# Altium PCB Cubli_Control_Board.PcbDoc (part 1 of 2)
Units mil, origin at the board's own origin, x right, y up, seen from the top; angles counter-clockwise.
Board outline 2755.91 x 2755.91 mil, 4 copper layers (Top Layer, VCC, GND, Bottom Layer), stack 30.635 mil thick; 150 components, 118 nets, 570 pads, 427 vias.
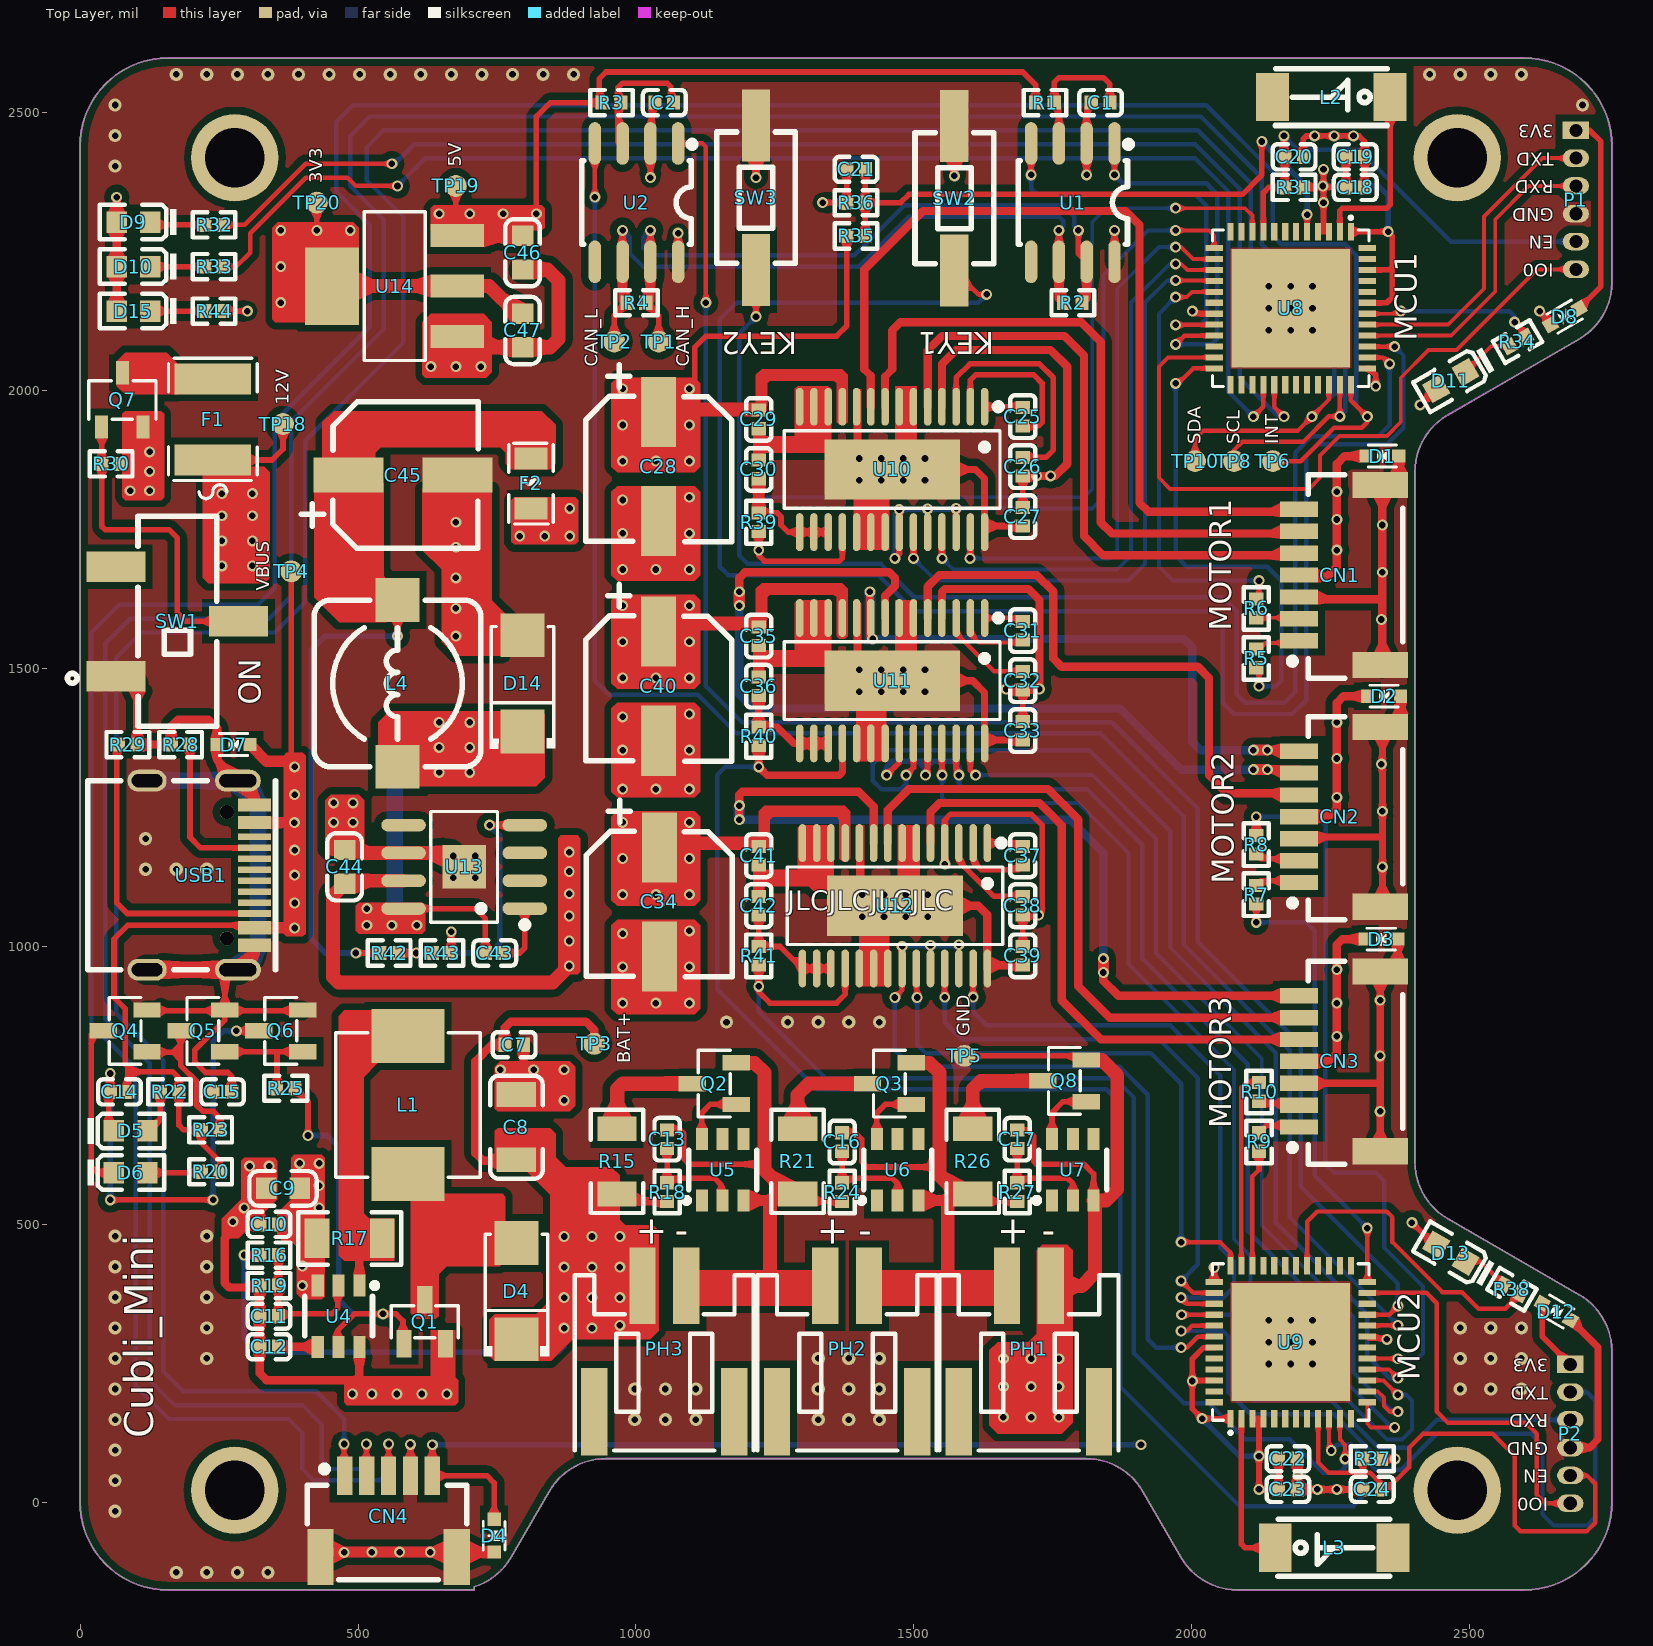
[diagram p0: Top Layer view]
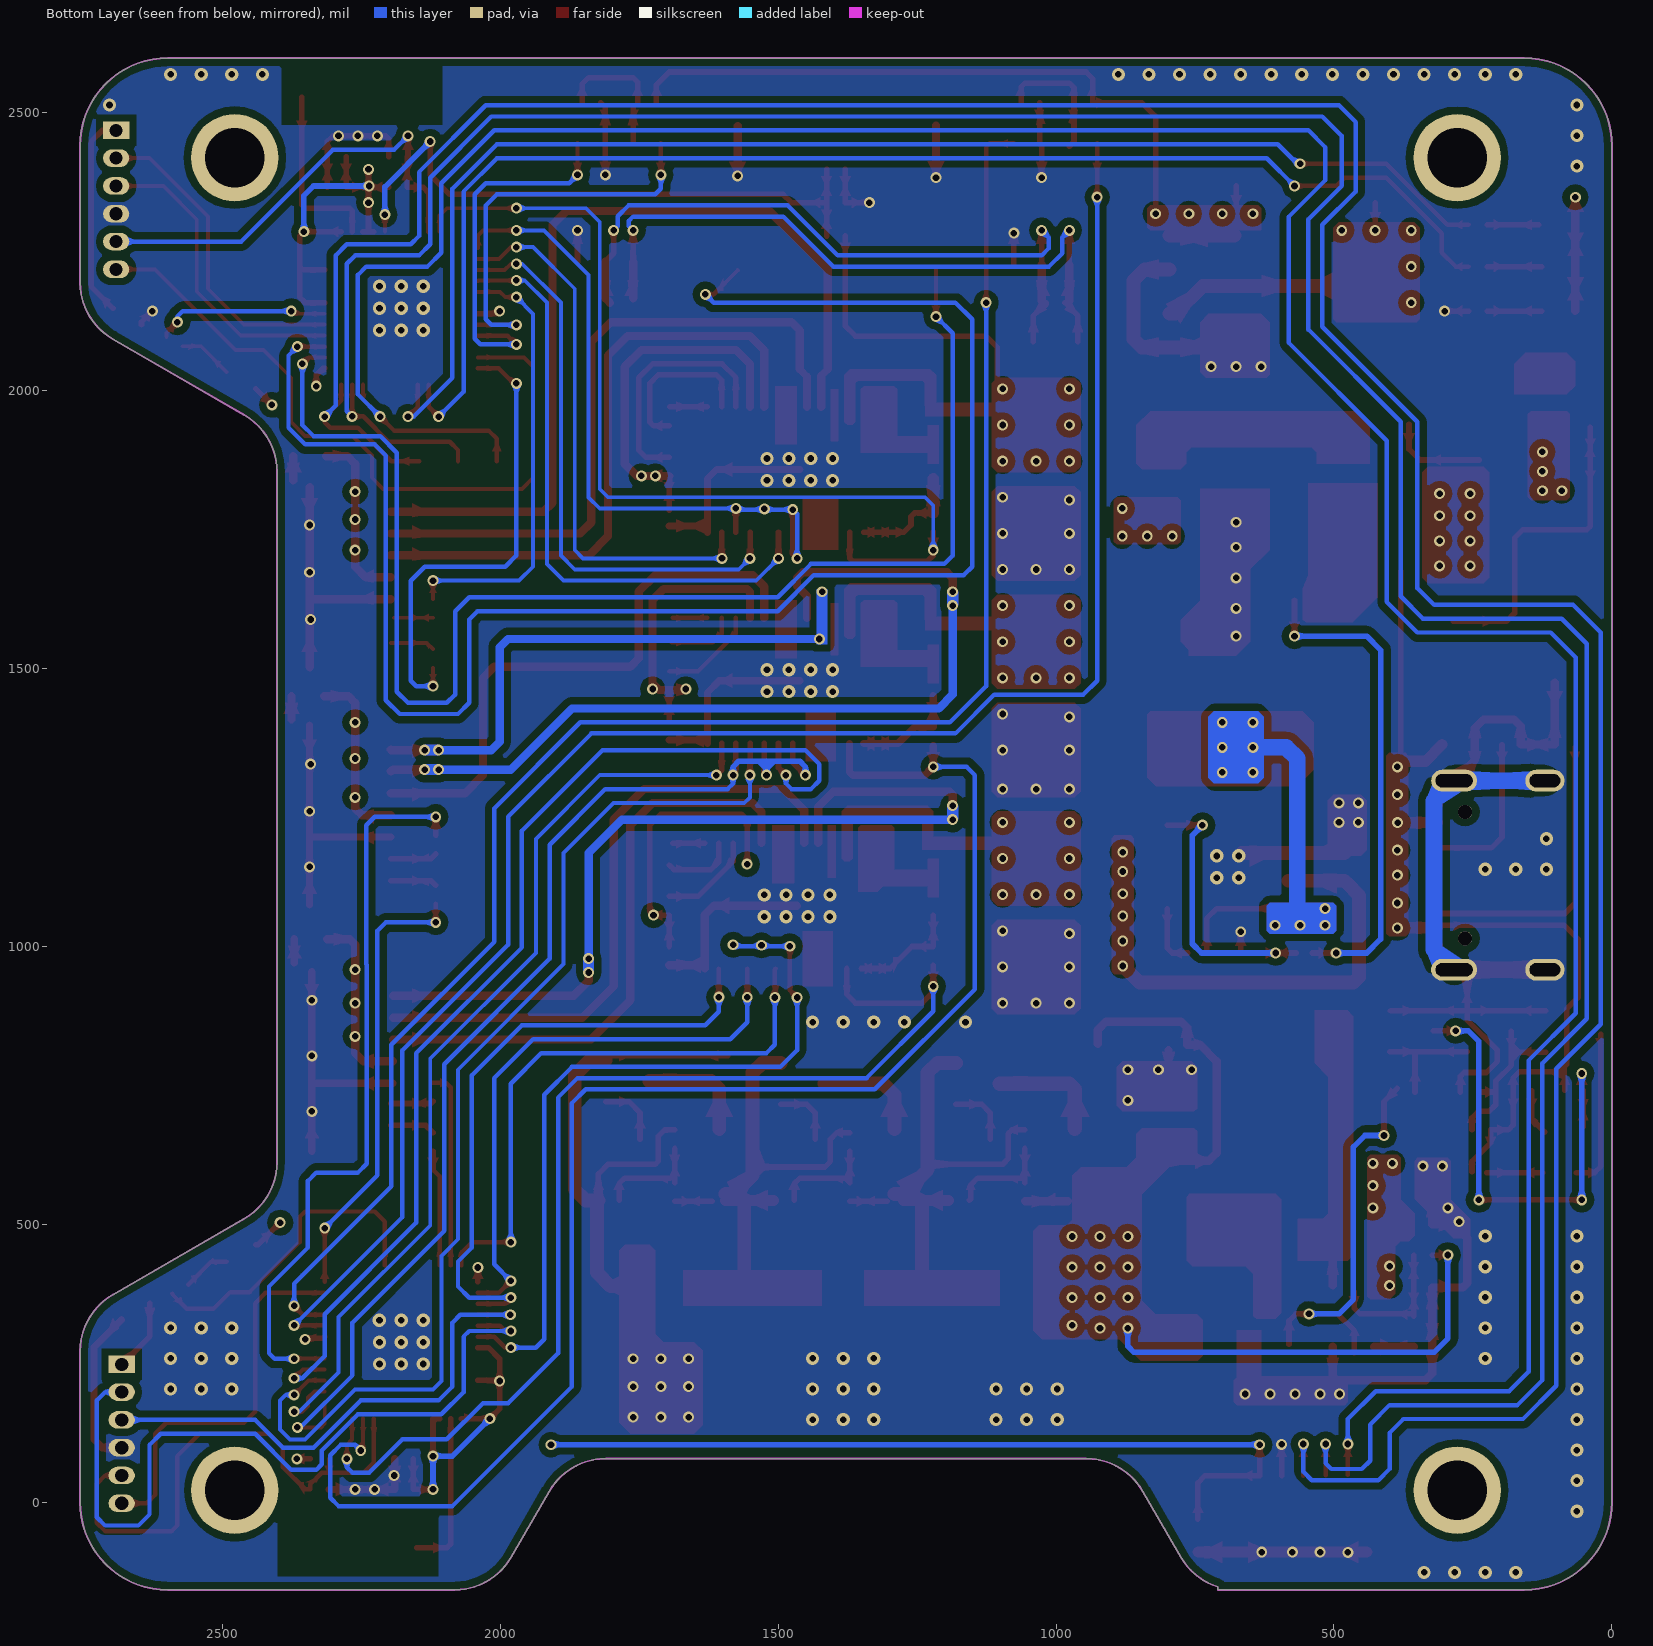
[diagram p1: Bottom Layer view, seen from below]
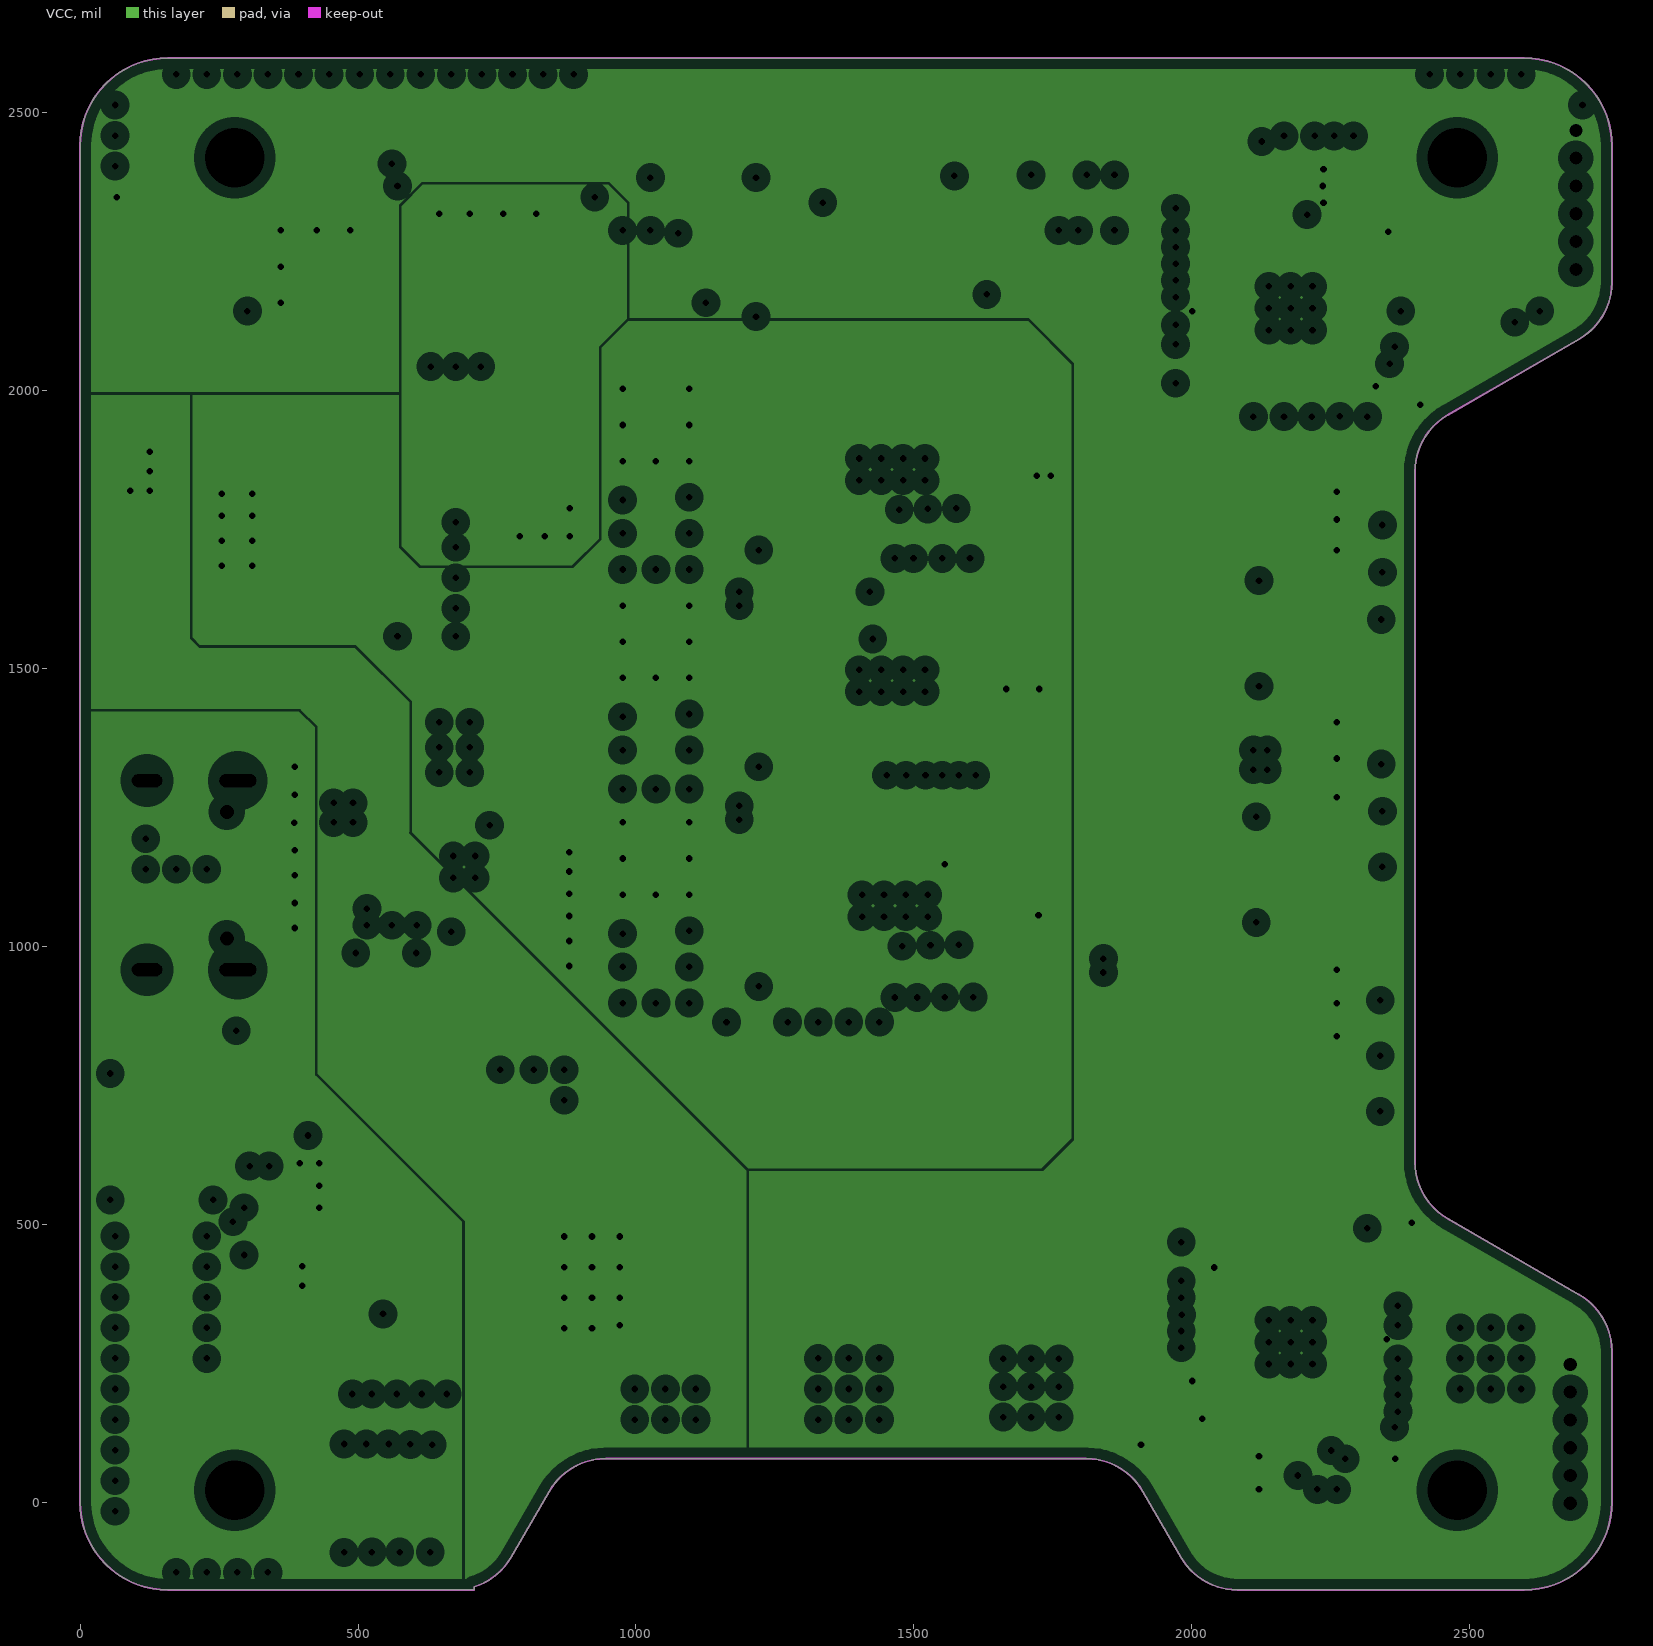
[diagram p2: VCC, clearances drawn from the general rule]
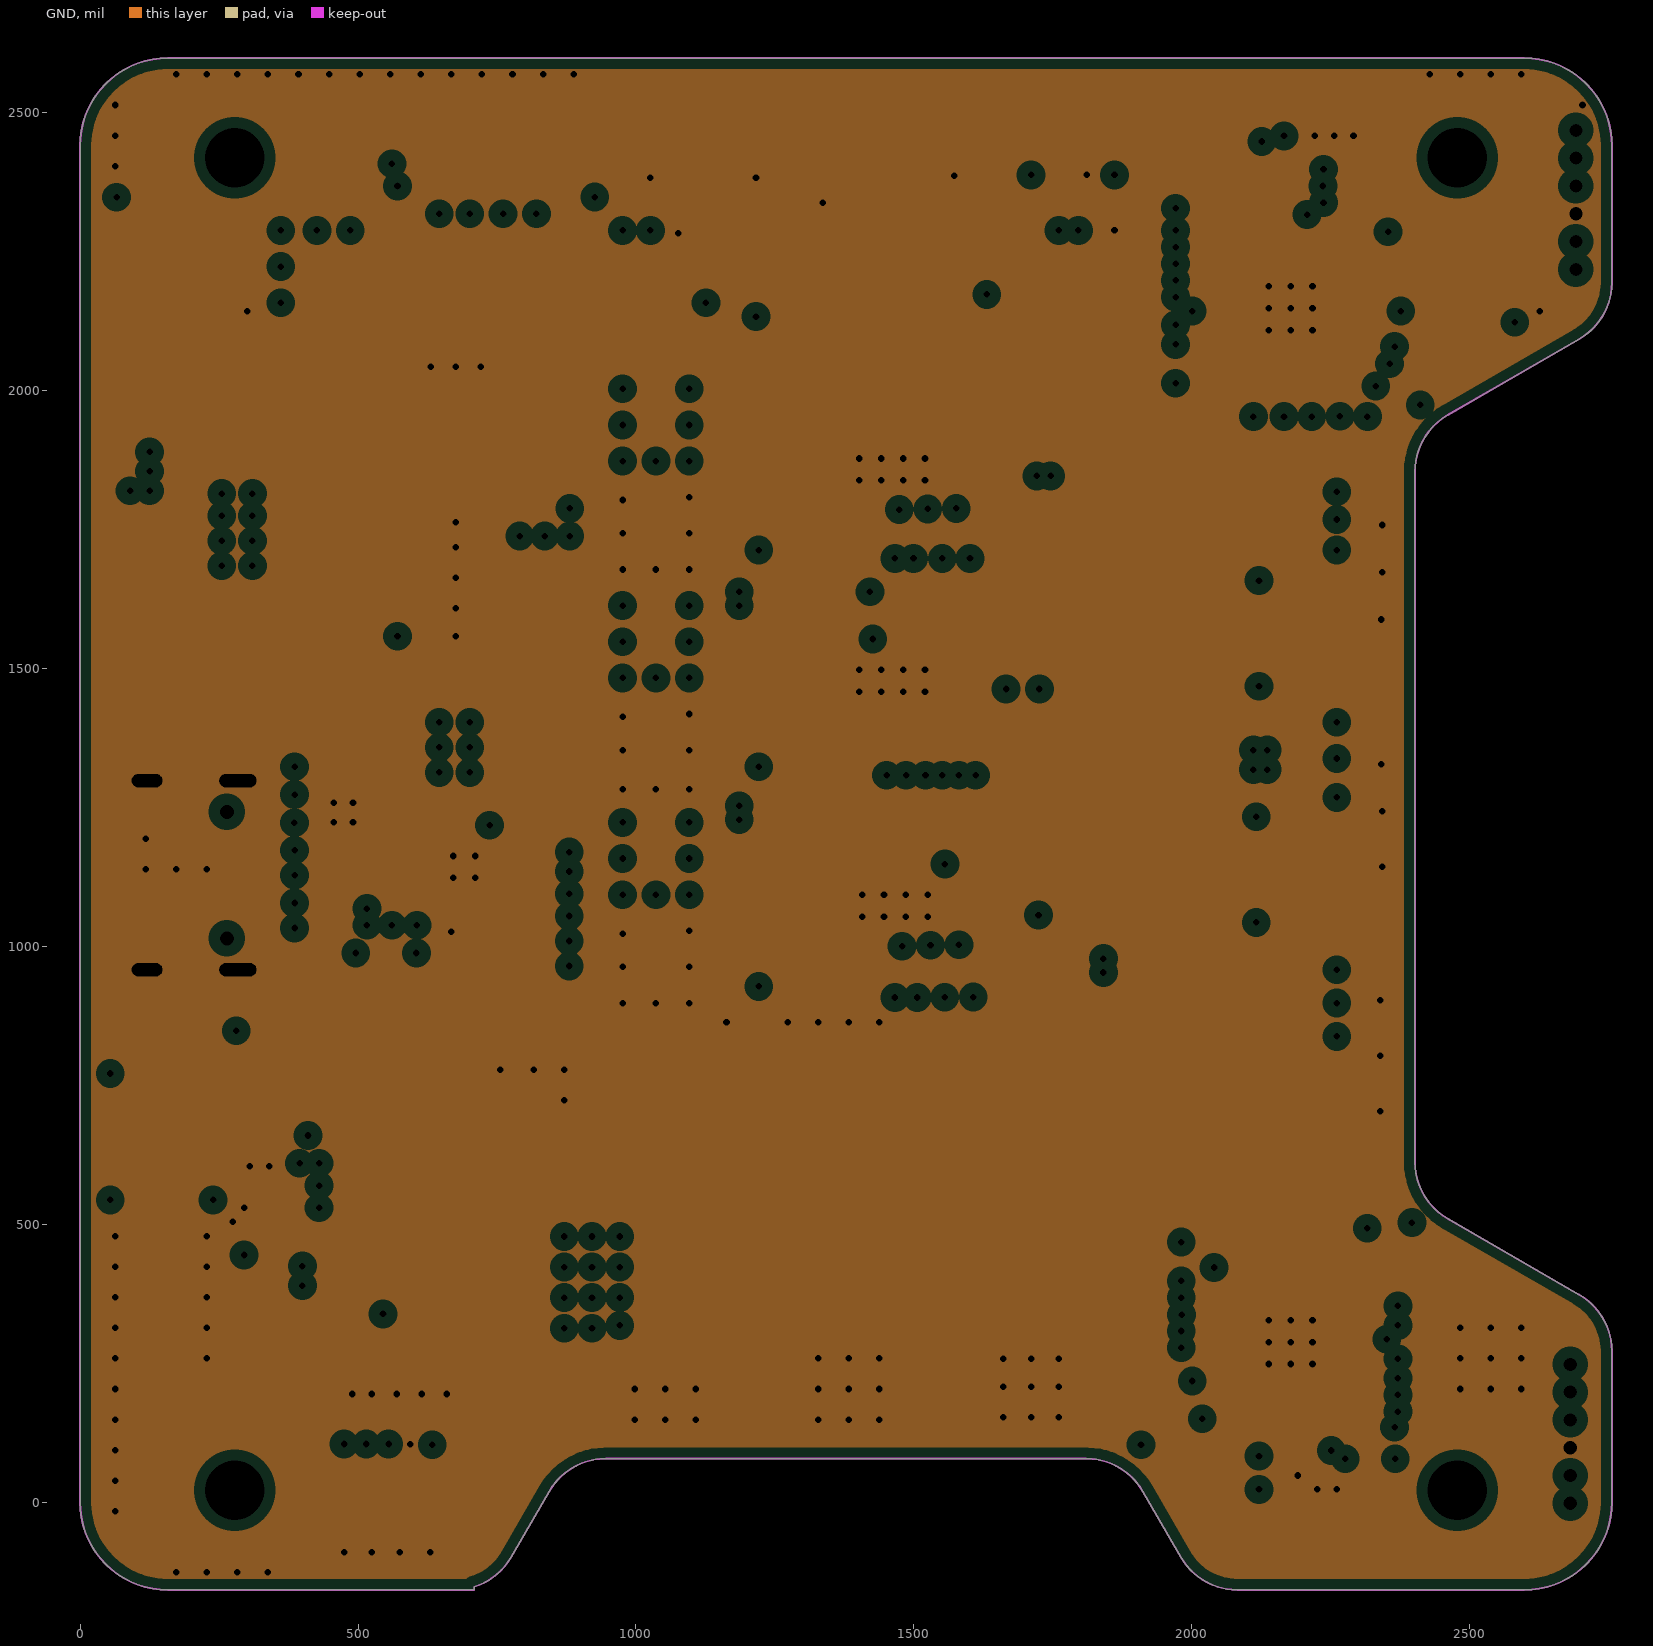
[diagram p3: GND, clearances drawn from the general rule]
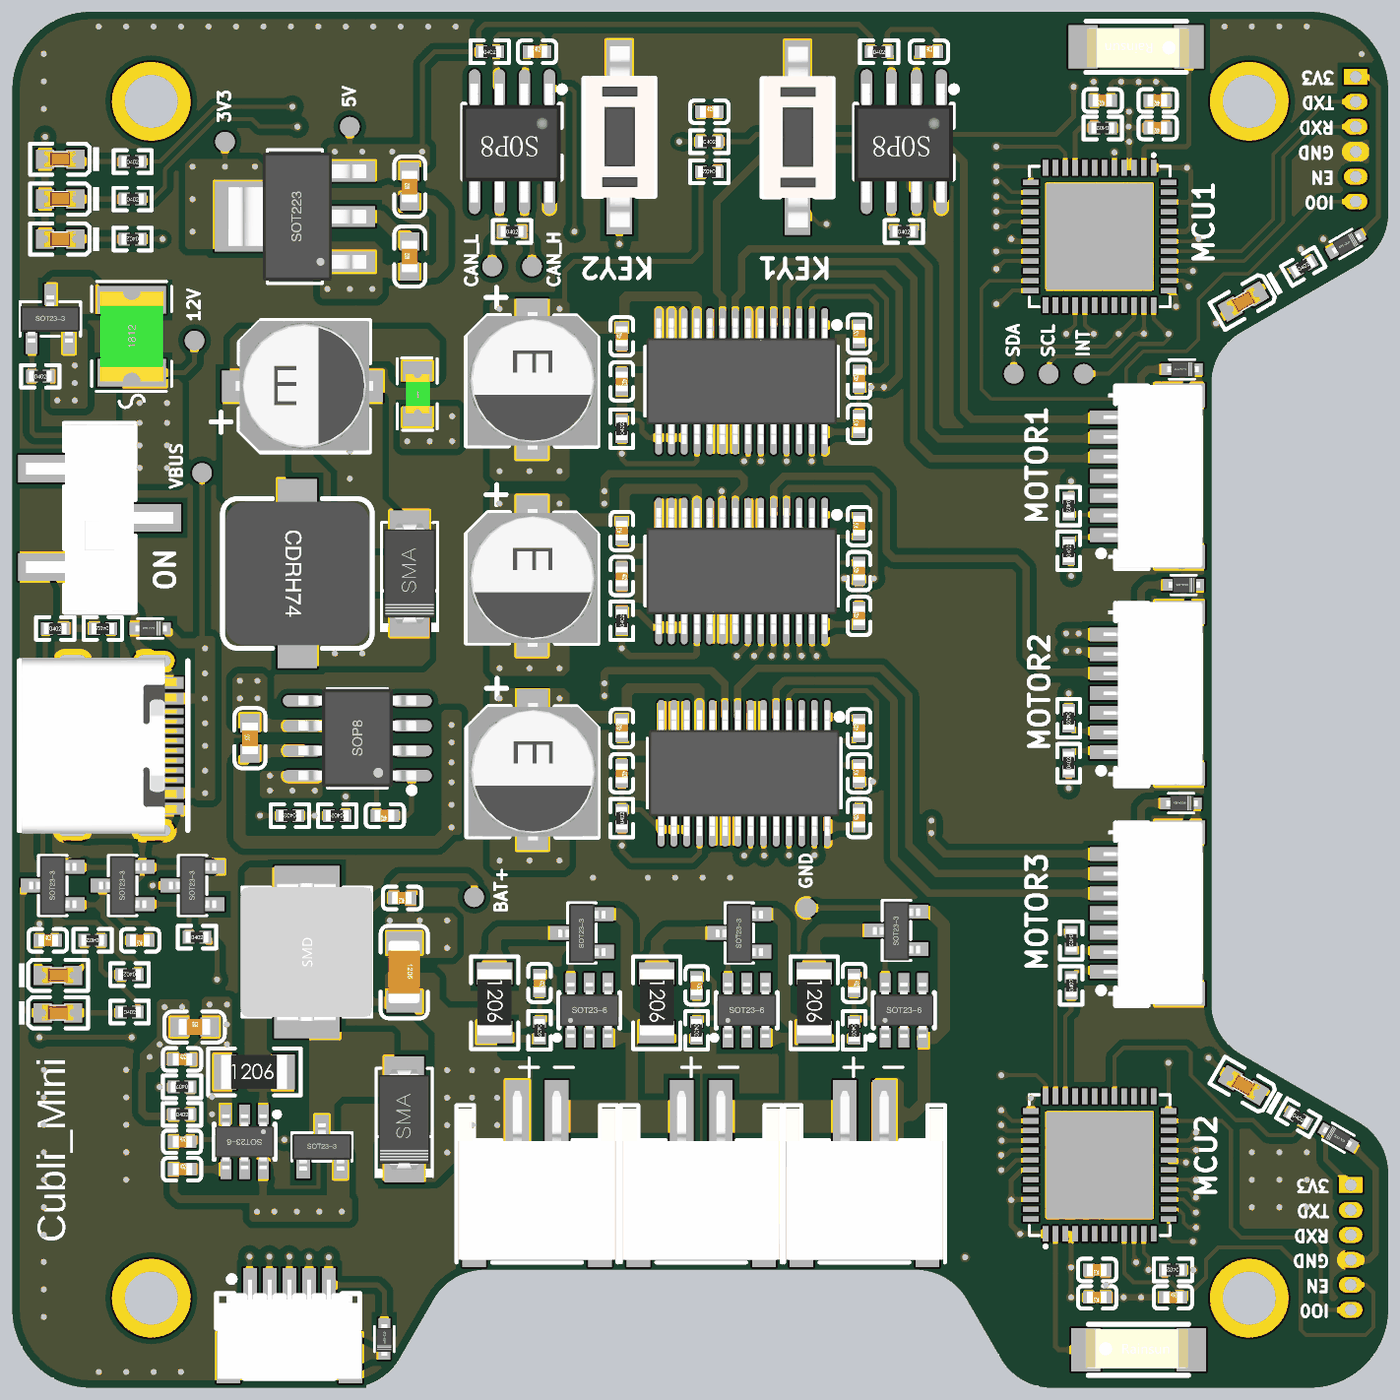
[diagram p5: 3D render of the assembled board from above, using the file's embedded part models]

## Layer stack, top to bottom
Top Solder: solder mask 0.4, Solder Resist, Dk 3.5
Top Layer: signal copper 1.4
Dielectric 1: core 10, FR-4, Dk 4.2
VCC: plane copper 1.4173, net (Multiple Nets)
Dielectric 3: prepreg 5, Dk 4.2
GND: plane copper 1.4173, net GND
Dielectric 2: core 10, Dk 4.2
Bottom Layer: signal copper 1.4
Bottom Solder: solder mask 0.4, Solder Resist, Dk 3.5

## Board outline
157.48,-157.48 709.12,-157.48 709.12,-151.94 ccw(c673.38,-39.37) 775.67,-98.43 843.86,19.69 843.86,19.68 cw(c946.14,-39.37) 946.14,78.74 1809.76,78.74 cw(c1809.76,-39.37) 1912.05,19.68 1912.05,19.69 1980.24,-98.43 ccw(c2082.53,-39.37) 2082.53,-157.48 2598.43,-157.48 ccw(c2598.43,0) 2755.91,0 2755.91,271.57 ccw(c2637.8,271.57) 2696.85,373.85 2460.63,510.24 cw(c2519.69,612.52) 2401.58,612.52 2401.58,1854.09 cw(c2519.69,1854.09) 2460.63,1956.38 2696.85,2092.76 ccw(c2637.8,2195.05) 2755.91,2195.05 2755.91,2440.95 ccw(c2598.43,2440.95) 2598.43,2598.43 157.48,2598.43 ccw(c157.48,2440.95) 0,2440.95 0,0 ccw(c157.48,0)

## Design rules (kind name [scope] priority, off if disabled: settings)
Clearance [All] p1: gap=6
DiffPairsRouting [All] p1: maxlimit=10 minlimit=10 mostfreqgap=10 toplayer_minwidth=10 toplayer_maxwidth=15 toplayer_prefwidth=15 bottomlayer_minwidth=10 bottomlayer_maxwidth=15 bottomlayer_prefwidth=15 maxuncoupledlength=500
PlaneClearance [All] p1: clearance=20
PlaneConnect [All] p1: planeconnectstyle=Relief reliefexpansion=8 reliefentries=4 reliefconductorwidth=12 reliefairgap=10
PolygonConnect [All] p1: connectstyle=Direct reliefconductorwidth=10 reliefentries=4 polygonreliefangle="90 Angle" airgapwidth=10
RoutingVias [All] p1: holewidth=28 width=50 viastyle="Through Hole" minholewidth=28 minwidth=50 maxholewidth=28 maxwidth=50
SolderMaskExpansion [All] p1: expansion=4
UnpouredPolygon [All] p1: allowunpoured=FALSE
Width [All] p1: maxlimit=30 minlimit=6 preferedwidth=10
26 further rules are at their usual default settings.

## Classes and differential pairs
component class Power: C43 C44 C45 C46 C47 D14 D15 F2 L4 R42 R43 R44 TP18 TP19 TP20 U13 U14
component class Motor3: C37 C38 C39 C40 C41 C42 R41 U12
component class Motor2: C31 C32 C33 C34 C35 C36 R40 U11
component class Motor1: C25 C26 C27 C28 C29 C30 R39 U10
component class MCU2: C22 C23 C24 D12 D13 L3 P2 R37 R38 U9
component class MCU1: C18 C19 C20 C21 D8 D9 D10 D11 L2 P1 R31 R32 R33 R34 R35 R36 SW2 SW3 TP6 TP8 TP10 U8
component class Lipo: C7 C8 C9 C10 C11 C12 C13 C14 C15 C16 C17 D4 D5 D6 D7 F1 L1 PH1 PH2 PH3 Q1 Q2 Q3 Q4 Q5 Q6 Q7 Q8 R15 R16 R17 R18 R19 R20 R21 R22 R23 R24 R25 R26 R27 R28 R29 R30 SW1 TP3 TP4 TP5 U4 U5 U6 U7 USB1
component class Connect: CN1 CN2 CN3 CN4 D1 D2 D3 D4 R5 R6 R7 R8 R9 R10
component class CAN2: C2 R3 R4 U2
component class CAN1: C1 R1 R2 TP1 TP2 U1
differential pair CAN: +CAN_P -CAN_N

## Components (designator, comment, footprint, x,y, rotation, side; value= is the part's Value field where it differs from the comment)
C1 "100nF (104) 10% 16V" 0402_C 1836,2518.36 r0 top
C2 "100nF (104) 10% 16V" 0402_C 1051,2518.36 r0 top
C7 "100nF (104) 10% 16V" 0402_C 781,823.36 r180 top
C8 "22uF ±20% 25V" 1206_C 785,675 r270 top
C9 "10uF ±10% 25V" 0603_C 365,565 r0 top
C10 "100nF ±10% 50V" 0402_C 340,500 r0 top
C11 "100nF (104) 10% 16V" 0402_C 340,335 r0 top
C12 "4.7uF ±20% 16V" 0402_C 340,280 r0 top
C13 "100nF (104) 10% 16V" 0402_C 1056,653.36 r270 top
C14 "1.0uF (105) 10% 25V" 0402_C 71,738.36 r0 top
C15 "1.0uF (105) 10% 25V" 0402_C 256,738.36 r180 top
C16 "100nF (104) 10% 16V" 0402_C 1371,648.36 r270 top
C17 "100nF (104) 10% 16V" 0402_C 1686,653.36 r270 top
C18 "100nF (104) 10% 16V" 0402_C 2294.19,2365.72 r180 top
C19 "10uF (106) 20% 6.3V" 0402_C 2294.19,2420.72 r180 top
C20 "1.0uF (105) 10% 25V" 0402_C 2184.19,2420.72 r180 top
C21 "100nF (104) 10% 16V" 0402_C 1396,2398.36 r0 top
C22 "100nF (104) 10% 16V" 0402_C 2173,78.36 r180 top
C23 "10uF (106) 20% 6.3V" 0402_C 2173,23.36 r180 top
C24 "1.0uF (105) 10% 25V" 0402_C 2324.74,23.36 r0 top
C25 "10nF (103) 10% 50V" 0402_C 1696,1953.36 r90 top
C26 "100nF (104) 10% 16V" 0402_C 1696,1863.36 r90 top
C27 "100nF (104) 10% 16V" 0402_C 1696,1773.36 r90 top
C28 "100uF 35V" CAP-SMD_L6.6-W6.6 1041,1863.36 r90 top
C29 "100nF (104) 10% 16V" 0402_C 1221,1948.36 r90 top
C30 "10uF (106) 20% 6.3V" 0402_C 1221,1858.36 r270 top
C31 "10nF (103) 10% 50V" 0402_C 1696,1568.36 r90 top
C32 "100nF (104) 10% 16V" 0402_C 1696,1478.36 r90 top
C33 "100nF (104) 10% 16V" 0402_C 1696,1388.36 r90 top
C34 "100uF 35V" CAP-SMD_L6.6-W6.6 1042,1080.36 r90 top
C35 "100nF (104) 10% 16V" 0402_C 1221,1558.36 r90 top
C36 "10uF (106) 20% 6.3V" 0402_C 1221,1468.36 r270 top
C37 "10nF (103) 10% 50V" 0402_C 1696,1163.36 r90 top
C38 "100nF (104) 10% 16V" 0402_C 1696,1073.36 r90 top
C39 "100nF (104) 10% 16V" 0402_C 1696,983.36 r90 top
C40 "100uF 35V" CAP-SMD_L6.6-W6.6 1041,1468.36 r90 top
C41 "100nF (104) 10% 16V" 0402_C 1221,1163.36 r90 top
C42 "10uF (106) 20% 6.3V" 0402_C 1221,1073.36 r270 top
C43 "10nF (103) 10% 50V" 0402_C 746,988.36 r180 top
C44 "10uF ±20% 25V" 0603_C 476,1143.36 r90 top
C45 "220uF 25V" CAP-SMD_L6.6-W6.6 581,1848.36 r180 top
C46 "10uF ±20% 25V" 0603_C 796,2248.36 r90 top
C47 "10uF ±20% 25V" 0603_C 796,2108.36 r90 top
CN1 "HC-1.0-7PWT" CONN-SMD_HC-1.0-7PWT 2266,1668.36 r90 top
CN2 "HC-1.0-7PWT" CONN-SMD_HC-1.0-7PWT 2266,1233.36 r90 top
CN3 "HC-1.0-7PWT" CONN-SMD_HC-1.0-7PWT 2266,793.36 r90 top
CN4 "HC-1.0-5PWT" CONN-SMD_5P-P1.00_HCTL_HC-1.0-5PWT 555,-25 r0 top
D1 "ESD5Z3.3C" SOD-523_L1.2-W0.8-LS1.6-BI 2343,1882.36 r0 top
D2 "ESD5Z3.3C" SOD-523_L1.2-W0.8-LS1.6-BI 2346,1450.36 r0 top
D3 "ESD5Z3.3C" SOD-523_L1.2-W0.8-LS1.6-BI 2341,1013.36 r0 top
D4 "SS34K" SMA_L4.3-W2.6-LS5.2-RD 785,380 r90 top
D4 "ESD5Z3.3C" SOD-523_L1.2-W0.8-LS1.6-BI 745,-60 r270 top
D5 "红灯 0603" 0603_LED_S1 91,668.36 r0 top
D6 "绿灯 0603" 0603_LED_S1 91,593.36 r0 top
D7 "LESD5D5.0CT1G" SOD-523_L1.2-W0.8-LS1.6-BI 276,1363.36 r0 top
D8 "ESD5Z3.3C" SOD-523_L1.2-W0.8-LS1.6-BI 2671,2133.36 r30 top
D9 "蓝灯 0603" 0603_LED_S1 96,2303.36 r180 top
D10 "绿灯 0603" 0603_LED_S1 96,2223.36 r180 top
D11 "绿灯 0603" 0603_LED_S1 2466,2018.36 r210 top
D12 "ESD5Z3.3C" SOD-523_L1.2-W0.8-LS1.6-BI 2656,343.36 r150 top